# Altium PCB F407.PcbDoc (part 1 of 2)
Units mil, origin at the board's own origin, x right, y up, seen from the top; angles counter-clockwise.
Board outline 2695.03 x 3942.04 mil, 2 copper layers (Top Layer, Bottom Layer); 101 components, 150 nets, 633 pads, 413 vias.
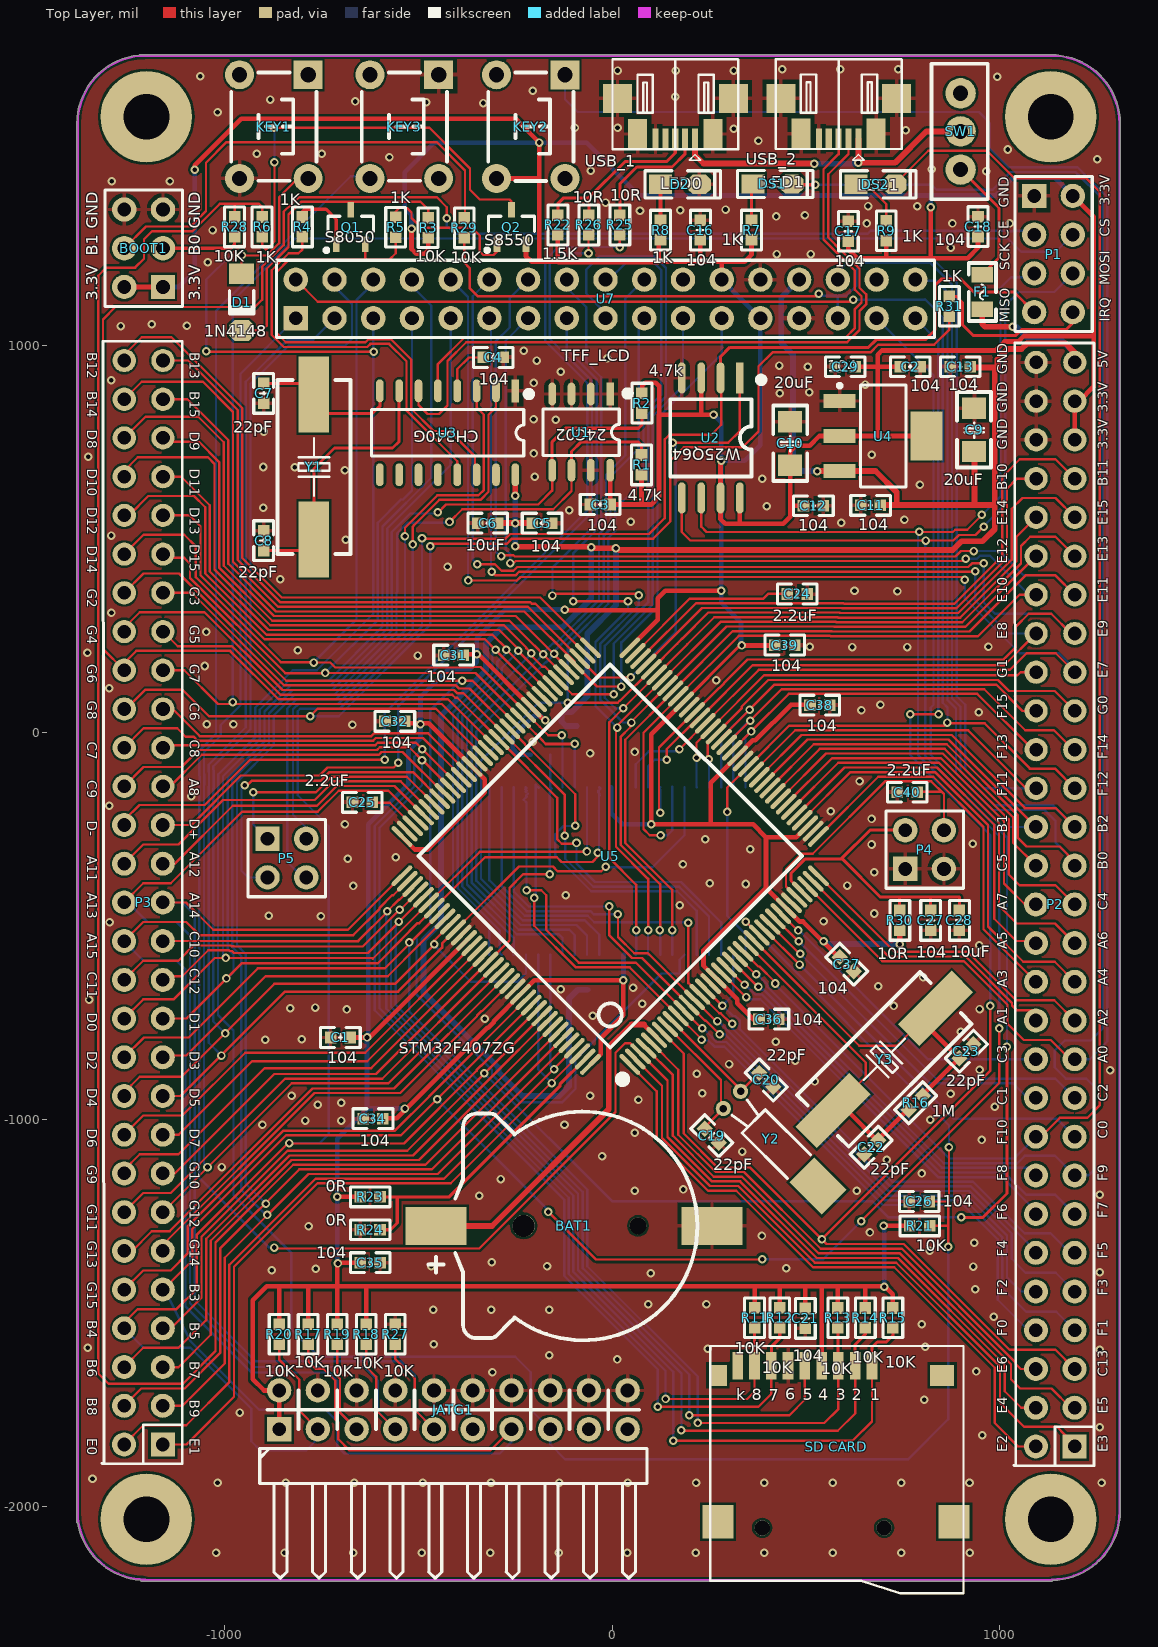
[diagram p0: Top Layer view]
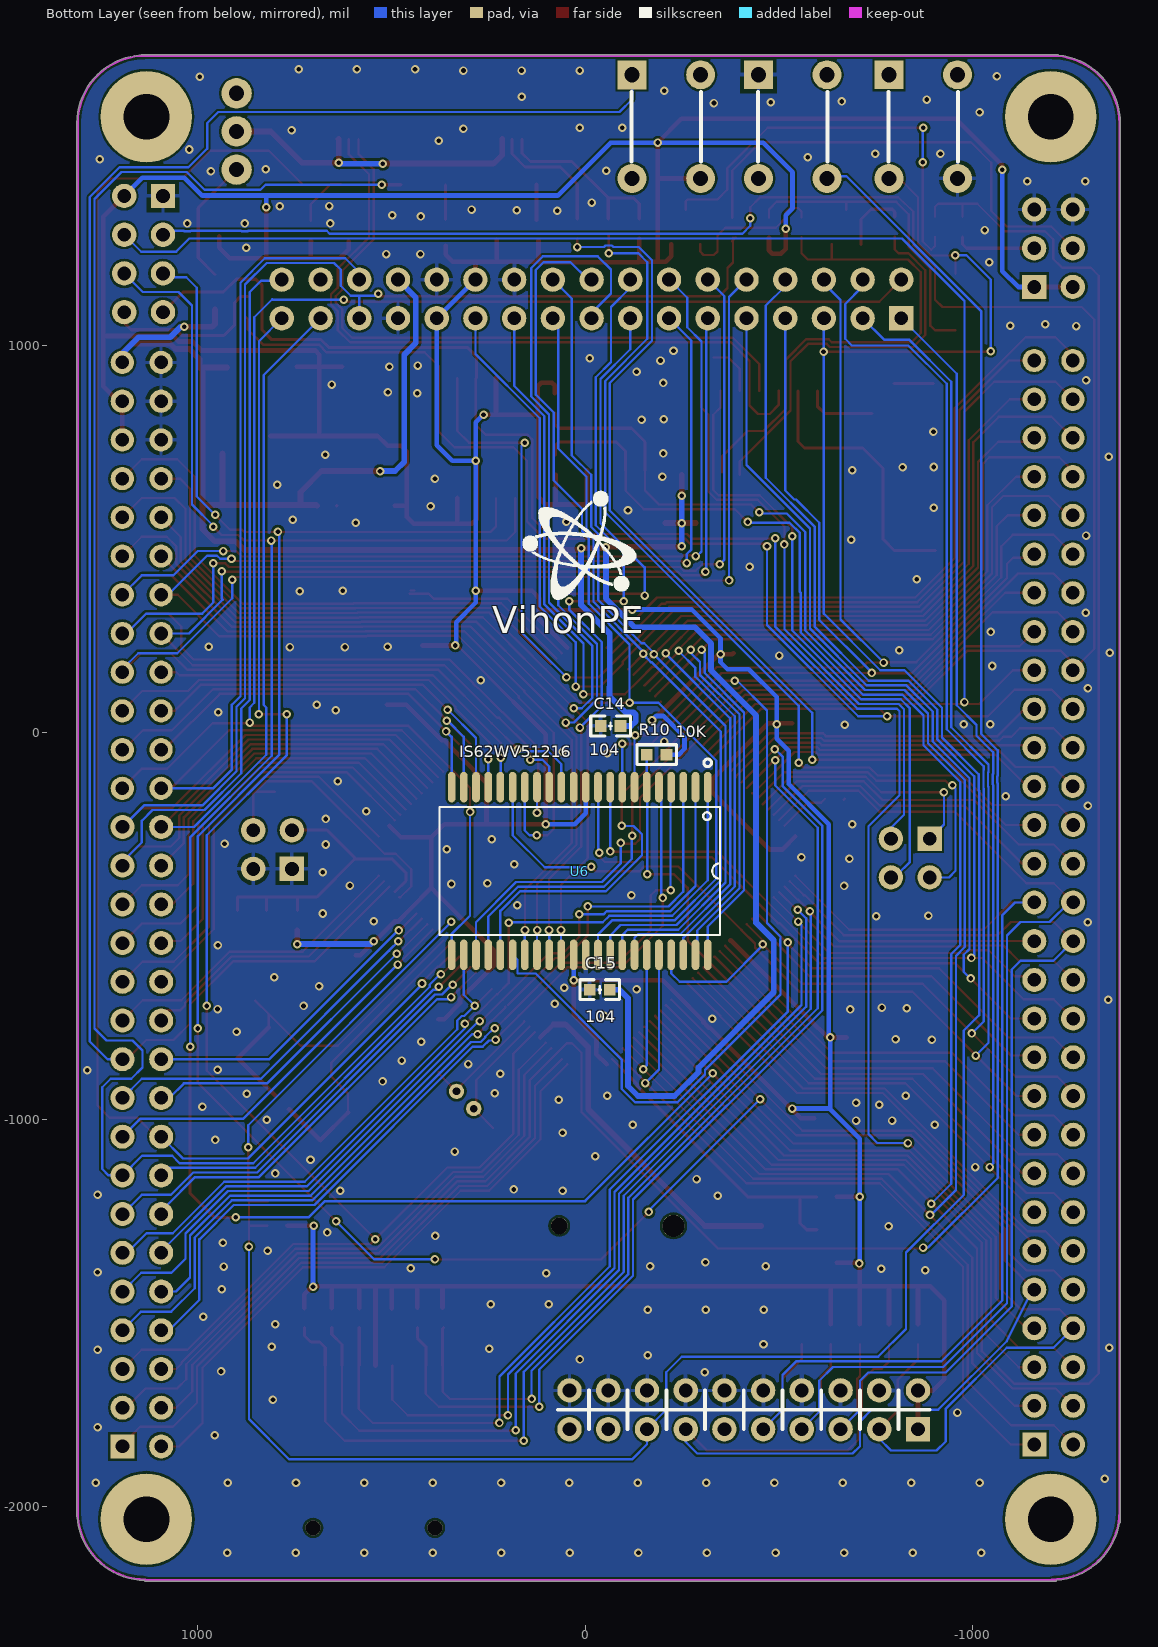
[diagram p1: Bottom Layer view, seen from below]

## Layer stack, top to bottom
Top Solder: solder mask 0.4, Solder Resist, Dk 3.5
Top Layer: signal copper 1.4
Dielectric 1: dielectric 12.6, FR-4, Dk 4.8
Bottom Layer: signal copper 1.4
Bottom Solder: solder mask 0.4, Solder Resist, Dk 3.5

## Board outline
-1382.51,-2040 ccw(c-1380,-2040) -1380.05,-2042.51 ccw(c-1205.07,-2013.06) -1217.51,-2190.07 ccw(c-1215,-2190) -1215,-2192.51 1135,-2192.51 ccw(c1135,-2190) 1137.48,-2190.42 ccw(c1135.07,-2012.99) 1312,-2026.53 ccw(c1310,-2025) 1312.52,-2025 1312.52,1572.01 ccw(c1310,1572.01) 1312.44,1572.61 ccw(c1135,1572.08) 1146.3,1749.16 ccw(c1145,1747.01) 1145,1749.52 -1220,1749.52 ccw(c-1220,1747.01) -1221.83,1748.73 ccw(c-1205.07,1572.08) -1382.51,1572.08

## Design rules (kind name [scope] priority, off if disabled: settings)
Clearance [All] p1: gap=6 ignorepadtopadclearanceinfootprint=FALSE except(0: Arc-Hole Track-Hole SMDPad-Hole THPad-Hole Via-Hole Fill-Hole Poly-Hole Region-Hole Text-Hole)
PlaneClearance [All] p1: clearance=8
PolygonConnect PolygonConnect_1 [IsVia] p1: connectstyle=Direct reliefconductorwidth=10 reliefentries=4 polygonreliefangle="90 Angle" airgapwidth=10
PolygonConnect [All] p2: connectstyle=Relief reliefconductorwidth=10 reliefentries=4 polygonreliefangle="90 Angle" airgapwidth=10
RoutingVias [All] p1: holewidth=12 width=22 viastyle="Through Hole" minholewidth=12 minwidth=15 maxholewidth=12 maxwidth=22
SilkToSolderMaskClearance [IsPad] p1: minsilkscreentomaskgap=2 clearancetoexposedcopper=TRUE
SolderMaskExpansion [All] p1: expansion=4 istentingtop=FALSE
Width POWER [InNetClass('POR')] p1: maxlimit=60 minlimit=6 preferedwidth=15
Width [All] p2: maxlimit=60 minlimit=6 preferedwidth=6
28 further rules are at their usual default settings.

## Components (designator, comment, footprint, x,y, rotation, side; value= is the part's Value field where it differs from the comment)
BAT1 "1220" CR1220_A -75,-1275 r180 top locked
BOOT1 "BOOT1" HDR2.54-LI-2x3P -1210,1250 r90 top locked
C1 "104" "C 0603_L" -701.59,-788.33 r0 top
C2 "104" "C 0603_L" 770,944 r180 top
C3 "104" "C 0603_L" -31,588 r0 top
C4 "104" "C 0603_L" -307,968 r180 top
C5 "104" "C 0603_L" -181.03,540 r180 top
C6 "10uF" "C 0603_L" -321.03,540 r0 top
C7 "22pF" "C 0603_L" -900,875 r270 top
C8 "22pF" "C 0603_L" -900,495 r90 top
C9 "20uF" "C 1206_L" 935,780 r90 top
C10 "20uF" "C 1206_L" 460,745 r90 top
C11 "104" "C 0603_L" 667.41,586 r180 top
C12 "104" "C 0603_L" 520,585 r0 top
C13 "104" "C 0603_L" 899,944 r0 top
C14 "104" "C 0603_L" -66,16 r180 bottom
C15 "104" "C 0603_L" -38,-665 r180 bottom
C16 "104" "C 0603_L" 228,1297 r270 top
C17 "104" "C 0603_L" 610,1294 r270 top
C18 "104" "C 0603_L" 945,1306 r270 top
C19 "22pF" "C 0603_L" 257.23,-1042 r315 top
C20 "22pF" "C 0603_L" 398,-898 r315 top
C21 "104" "C 0603_L" 499,-1514 r90 top
C22 "22pF" "C 0603_L" 669,-1072 r225 top
C23 "22pF" "C 0603_L" 915.1,-823.9 r45 top
C24 "2.2uF" "C 0603_L" 478,357 r180 top
C25 "2.2uF" "C 0603_L" -645,-181 r0 top
C26 "104" "C 0603_L" 793.41,-1212 r180 top
C27 "104" "C 0603_L" 822.59,-486.19 r270 top
C28 "10uF" "C 0603_L" 897,-486 r270 top
C29 "104" "C 0603_L" 602,944 r180 top
C31 "104" "C 0603_L" -409.59,199 r180 top
C32 "104" "C 0603_L" -561,28 r180 top
C34 "104" "C 0603_L" -617.59,-998 r180 top
C35 "104" "C 0603_L" -625,-1370 r0 top
C36 "104" "C 0603_L" 405,-741 r0 top
C37 "104" "C 0603_L" 606,-599 r315 top
C38 "104" "C 0603_L" 536.59,70 r0 top
C39 "104" "C 0603_L" 446,225 r0 top
C40 "2.2uF" "C 0603_L" 762,-155 r180 top
D1 "1N4148" "MINI_MELF (LL34)" -957,1111 r270 top
D2 "LED0" "LED 0805G" 175,1415 r0 top
DS1 "LED1" "LED 0805G" 414,1416 r0 top
DS2 "LED1" "LED 0805G" 680,1415 r0 top
F1 "500MA" "FU 0805" 956,1137 r270 top
JATG1 "JTAG" HDR2.54-WI-2x10P -410,-1750 r0 top locked
KEY1 "6x6x5" "TSW DIP-6*6*6" -873.58,1564.14 r270 top locked
KEY2 "6x6x5" "TSW DIP-6*6*6" -210,1564 r270 top locked
KEY3 "6x6x5" "TSW DIP-6*6*6" -536.58,1564.14 r270 top locked
P1 "NRF2401" HDR2.54-LI-2x4P 1140,1235 r270 top locked
P2 "Header 29X2" HEAD2*27 1144.79,-444.79 r90 top locked
P3 "Header 29X2" HEAD2*27 -1210.21,-439.79 r90 top locked
P4 "VREF" HDR2.54-LI-2x2P 807,-303 r0 top
P5 "VREF" HDR2.54-LI-2x2P -840,-325 r270 top
Q1 "S8050" SOT23-3L -675,1305 r0 top
Q2 "S8550" SOT23-3L -260,1305 r0 top
R1 "4.7k" "R 0603_L" 76,690.41 r270 top
R2 "4.7k" "R 0603_L" 77,850 r90 top
R3 "10K" "R 0603_L" -475,1303 r90 top
R4 "1K" "R 0603_L" -800,1305 r90 top
R5 "1K" "R 0603_L" -559,1304 r90 top
R6 "1K" "R 0603_L" -904,1305 r90 top
R7 "1K" "R 0603_L" 360,1297 r270 top
R8 "1K" "R 0603_L" 125,1297 r270 top
R9 "1K" "R 0603_L" 708,1295 r270 top
R10 "10K" "R 0603_L" -185,-58 r180 bottom
R11 "10K" "R 0603_L" 368,-1512 r90 top
R12 "10K" "R 0603_L" 433,-1512 r90 top
R13 "10K" "R 0603_L" 582.99,-1512.53 r90 top
R14 "10K" "R 0603_L" 653.99,-1512.53 r90 top
R15 "10K" "R 0603_L" 724.99,-1512.53 r90 top
R16 "1M" "R 0603_L" 784,-957 r225 top
R17 "10K" "R 0603_L" -785,-1555 r270 top
R18 "10K" "R 0603_L" -635,-1555 r270 top
R19 "10K" "R 0603_L" -710,-1555 r270 top
R20 "10K" "R 0603_L" -860,-1555 r270 top
R21 "10K" "R 0603_L" 794.41,-1275 r180 top
R22 "1.5K" "R 0603_L" -140,1310 r270 top
R23 "0R" "R 0603_L" -625,-1200 r0 top
R24 "0R" "R 0603_L" -625,-1285 r0 top
R25 "10R" "R 0603_L" 20,1310.01 r90 top
R26 "10R" "R 0603_L" -60,1310.01 r90 top
R27 "10K" "R 0603_L" -560,-1555 r90 top
R28 "10K" "R 0603_L" -975,1305 r270 top
R29 "10K" "R 0603_L" -382,1302.41 r270 top
R30 "10R" "R 0603_L" 743,-486 r270 top
R31 "1K" "R 0603_L" 871,1100 r90 top
"SD CARD" "TF_Card" "Micro SD" 545,-2055 r0 top locked
SW1 "POWER_SW" SS-12D00 900,1551.57 r270 top
U1 "24C02" SOP8_L -80,775 r270 top
U2 "W25Q64" SOP8W_L 255,760 r270 top locked
U3 "CH340G" SOP16_L -425,773.35 r270 top locked
U4 "AMS1117-3V3" SOT223_L 700,765 r0 top
U5 "STM32F407ZG" "LQFP144 20X20_N" -5,-320 r45 top locked
U6 "IS62WV51216" TSOP10X18-44 -316.93,-141.93 r0 bottom locked
U7 "TFF_LCD" HDR2.54-LI-2x17P -17,1119 r0 top locked
USB_1 "USB-5P" USB-MICRO_E 162.99,1624.72 r180 top
USB_2 "USB-5P" USB-MICRO_E 585,1625 r180 top locked
Y1 "12MHz" "OSC HC-49SMD" -770,685 r90 top locked
Y2 "32.768KHz" OSC-2x6-WI-B 309.5,-949.73 r225 top
Y3 "8MHz" "OSC HC-49SMD" 703,-845 r45 top

## Footprints (in the part's own frame and the unit in brackets; to place one, negate y for a bottom-side part, rotate by r counter-clockwise, add the part's x,y. Pads: shape width x height; smd on the part's side, far side on the other; paste and mask are expansions set on the pad)
"C 0603_L" [mil] "无极性贴片电容"
  rect 30x30 smd: 1(-25.59,0) 2(25.59,0)
  silkscreen extent -51,-26 51,26, body extent -31,-16 31,16, height 32
"C 1206_L" [mil] "无极性贴片电容"
  rect 55x62 smd: 1(-55.12,0) 2(57.09,0)
  silkscreen extent -96,-44 98,44, body extent -63,-32 63,32, height 48
CR1220_A [mm] "纽扣电池座"
  round 1.1 hole 1.1: 0(-3.6,0)
  round 1.45 hole 1.45: 0(3.9,0)
  rect 4x2.5 smd: 1(9.652,0) 2(-8.458,0)
  silkscreen extent -7.5,-7.5 10.16,7.5, body extent -9.42,-7.45 10.34,7.45, height 4.05
"FU 0805" [mil] "贴片保险丝"
  rect 40x55 smd: 1(-45,0) 2(45,0)
  silkscreen extent -75,-35 75,35, body extent -39,-24 39,24, height 20
HDR2.54-LI-2x2P [mm] "双排排针，2x2脚"
  rect 1.6x1.6 hole 0.9: 1(-1.27,-1.27)
  round 1.6 hole 0.9: 2(-1.27,1.27) 3(1.27,-1.27) 4(1.27,1.27)
  silkscreen extent -2.54,-2.54 2.54,2.54, body extent -2.54,-2.54 2.54,2.54, height 8.5
HDR2.54-LI-2x3P [mm] "双排排针，3x2脚"
  rect 1.6x1.6 hole 0.9: 1(-2.54,-1.27)
  round 1.6 hole 0.9: 2(-2.54,1.27) 3(0,-1.27) 4(0,1.27) 5(2.54,-1.27) 6(2.54,1.27)
  silkscreen extent -3.81,-2.54 3.81,2.54, body extent -3.81,-2.54 3.81,2.54, height 8.5
HDR2.54-LI-2x4P [mm] "双排排针，4x2脚"
  rect 1.6x1.6 hole 0.9: 1(-3.81,-1.27)
  round 1.6 hole 0.9: 2(-3.81,1.27) 3(-1.27,-1.27) 4(-1.27,1.27) 5(1.27,-1.27) 6(1.27,1.27) 7(3.81,-1.27) 8(3.81,1.27)
  silkscreen extent -5.08,-2.54 5.08,2.54, body extent -5.08,-2.54 5.08,2.54, height 8.5
HDR2.54-LI-2x17P [mm] "双排排针，17x2脚"
  rect 1.6x1.6 hole 0.9: 1(-20.32,-1.27)
  round 1.6 hole 0.9: 2(-20.32,1.27) 3(-17.78,-1.27) 4(-17.78,1.27) 5(-15.24,-1.27) 6(-15.24,1.27) 7(-12.7,-1.27) 8(-12.7,1.27) 9(-10.16,-1.27) 10(-10.16,1.27) 11(-7.62,-1.27) 12(-7.62,1.27) 13(-5.08,-1.27) 14(-5.08,1.27) 15(-2.54,-1.27) 16(-2.54,1.27) 17(0,-1.27) 18(0,1.27) 19(2.54,-1.27) 20(2.54,1.27) 21(5.08,-1.27) 22(5.08,1.27) 23(7.62,-1.27) 24(7.62,1.27) 25(10.16,-1.27) 26(10.16,1.27) 27(12.7,-1.27) 28(12.7,1.27) 29(15.24,-1.27) 30(15.24,1.27) 31(17.78,-1.27) 32(17.78,1.27) 33(20.32,-1.27) 34(20.32,1.27)
  silkscreen extent -21.59,-2.54 21.59,2.54, body extent -21.59,-2.54 21.59,2.54, height 8.5
HDR2.54-WI-2x10P [mm]
  rect 1.6x1.6 hole 0.9: 1(-11.43,-1.27)
  round 1.6 hole 0.9: 2(-11.43,1.27) 3(-8.89,-1.27) 4(-8.89,1.27) 5(-6.35,-1.27) 6(-6.35,1.27) 7(-3.81,-1.27) 8(-3.81,1.27) 9(-1.27,-1.27) 10(-1.27,1.27) 11(1.27,-1.27) 12(1.27,1.27) 13(3.81,-1.27) 14(3.81,1.27) 15(6.35,-1.27) 16(6.35,1.27) 17(8.89,-1.27) 18(8.89,1.27) 19(11.43,-1.27) 20(11.43,1.27)
  silkscreen extent -12.7,-11.06 12.7,1.27, body extent -12.7,-11.23 12.7,1.62, height 5.1
HEAD2*27 [mil]
  rect 62x62 hole 35: 1(-1399.79,-49.79)
  round 62 hole 35: 2(-1399.79,50.21) 3(-1299.79,-49.79) 4(-1299.79,50.21) 5(-1199.79,-49.79) 6(-1199.79,50.21) 7(-1099.79,-49.79) 8(-1099.79,50.21) 9(-999.79,-49.79) 10(-999.79,50.21) 11(-899.79,-49.79) 12(-899.79,50.21) 13(-799.79,-49.79) 14(-799.79,50.21) 15(-699.79,-49.79) 16(-699.79,50.21) 17(-599.79,-49.79) 18(-599.79,50.21) 19(-499.79,-49.79) 20(-499.79,50.21) 21(-399.79,-49.79) 22(-399.79,50.21) 23(-299.79,-49.79) 24(-299.79,50.21) 25(-199.79,-49.79) 26(-199.79,50.21) 27(-99.79,-49.79) 28(-99.79,50.21) 29(0.21,-49.79) 30(0.21,50.21) 31(100.21,-49.79) 32(100.21,50.21) 33(200.21,-49.79) 34(200.21,50.21)
  round 60 hole 35: 35(299.79,-50.21) 36(299.79,49.79) 37(399.79,-50.21) 38(399.79,49.79) 39(499.79,-50.21) 40(499.79,49.79) 41(599.79,-50.21) 42(599.79,49.79) 43(699.79,-50.21) 44(699.79,49.79) 45(799.79,-50.21) 46(799.79,49.79) 47(899.79,-50.21) 48(899.79,49.79) 49(999.79,-50.21) 50(999.79,49.79) 51(1099.79,-50.21) 52(1099.79,49.79) 53(1199.79,-50.21) 54(1199.79,49.79) 55(1299.79,-50.21) 56(1299.79,49.79) 57(1399.79,-50.21) 58(1399.79,49.79)
  silkscreen extent -1450,-100 1450,107
"LED 0805G" [mil] "绿色0805LED"
  rect 60x50 smd: 1(-50,0)
  oct 60x50 smd: 2(50,0)
  silkscreen extent -90,-35 105,35, body extent -39,-25 39,25, height 32
"LQFP144 20X20_N" [mm] "144脚，体宽20x20mm，脚距0.5mm"
  oval 0.3x1.8 smd: 1(-8.75,-10.573) 2(-8.25,-10.573) 3(-7.75,-10.573) 4(-7.25,-10.573) 5(-6.75,-10.573) 6(-6.25,-10.573) 7(-5.75,-10.573) 8(-5.25,-10.573) 9(-4.75,-10.573) 10(-4.25,-10.573) 11(-3.75,-10.573) 12(-3.25,-10.573) 13(-2.75,-10.573) 14(-2.25,-10.573) 15(-1.75,-10.573) 16(-1.25,-10.573) 17(-0.75,-10.573) 18(-0.25,-10.573) 19(0.25,-10.573) 20(0.75,-10.573) 21(1.25,-10.573) 22(1.75,-10.573) 23(2.25,-10.573) 24(2.75,-10.573) 25(3.25,-10.573) 26(3.75,-10.573) 27(4.25,-10.573) 28(4.75,-10.573) 29(5.25,-10.573) 30(5.75,-10.573) 31(6.25,-10.573) 32(6.75,-10.573) 33(7.25,-10.573) 34(7.75,-10.573) 35(8.25,-10.573) 36(8.75,-10.573) 73(8.75,10.573) 74(8.25,10.573) 75(7.75,10.573) 76(7.25,10.573) 77(6.75,10.573) 78(6.25,10.573) 79(5.75,10.573) 80(5.25,10.573) 81(4.75,10.573) 82(4.25,10.573) 83(3.75,10.573) 84(3.25,10.573) 85(2.75,10.573) 86(2.25,10.573) 87(1.75,10.573) 88(1.25,10.573) 89(0.75,10.573) 90(0.25,10.573) 91(-0.25,10.573) 92(-0.75,10.573) 93(-1.25,10.573) 94(-1.75,10.573) 95(-2.25,10.573) 96(-2.75,10.573) 97(-3.25,10.573) 98(-3.75,10.573) 99(-4.25,10.573) 100(-4.75,10.573) 101(-5.25,10.573) 102(-5.75,10.573) 103(-6.25,10.573) 104(-6.75,10.573) 105(-7.25,10.573) 106(-7.75,10.573) 107(-8.25,10.573) 108(-8.75,10.573)
  oval 1.8x0.3 smd: 37(10.573,-8.75) 38(10.573,-8.25) 39(10.573,-7.75) 40(10.573,-7.25) 41(10.573,-6.75) 42(10.573,-6.25) 43(10.573,-5.75) 44(10.573,-5.25) 45(10.573,-4.75) 46(10.573,-4.25) 47(10.573,-3.75) 48(10.573,-3.25) 49(10.573,-2.75) 50(10.573,-2.25) 51(10.573,-1.75) 52(10.573,-1.25) 53(10.573,-0.75) 54(10.573,-0.25) 55(10.573,0.25) 56(10.573,0.75) 57(10.573,1.25) 58(10.573,1.75) 59(10.573,2.25) 60(10.573,2.75) 61(10.573,3.25) 62(10.573,3.75) 63(10.573,4.25) 64(10.573,4.75) 65(10.573,5.25) 66(10.573,5.75) 67(10.573,6.25) 68(10.573,6.75) 69(10.573,7.25) 70(10.573,7.75) 71(10.573,8.25) 72(10.573,8.75) 109(-10.573,8.75) 110(-10.573,8.25) 111(-10.573,7.75) 112(-10.573,7.25) 113(-10.573,6.75) 114(-10.573,6.25) 115(-10.573,5.75) 116(-10.573,5.25) 117(-10.573,4.75) 118(-10.573,4.25) 119(-10.573,3.75) 120(-10.573,3.25) 121(-10.573,2.75) 122(-10.573,2.25) 123(-10.573,1.75) 124(-10.573,1.25) 125(-10.573,0.75) 126(-10.573,0.25) 127(-10.573,-0.25) 128(-10.573,-0.75) 129(-10.573,-1.25) 130(-10.573,-1.75) 131(-10.573,-2.25) 132(-10.573,-2.75) 133(-10.573,-3.25) 134(-10.573,-3.75) 135(-10.573,-4.25) 136(-10.573,-4.75) 137(-10.573,-5.25) 138(-10.573,-5.75) 139(-10.573,-6.25) 140(-10.573,-6.75) 141(-10.573,-7.25) 142(-10.573,-7.75) 143(-10.573,-8.25) 144(-10.573,-8.75)
  silkscreen extent -10.03,-11.17 8.89,8.89, body extent -11,-11 11,11, height 1.45
"Micro SD" [mm]
  round 1 hole 1 unplated: 0(-4,0) 0(4,0)
  rect 0.7x1.8 smd: 1(3.2,10.627) 2(2.1,10.627) 3(1,10.627) 4(-0.1,10.627) 5(-1.2,10.627) 6(-2.3,10.627) 7(-3.4,10.627) 8(-4.5,10.627) 9(-5.6,10.627)
  rect 2.032x2.2 smd: 10(-6.9,0.4) 10(8.6,0.4)
  rect 1.2x1.4 smd: 10(-6.9,10)
  rect 1.6x1.4 smd: 10(7.8,10)
  silkscreen extent -7.4,-4.28 9.2,11.94, body extent -7.11,-3.95 8.89,11.3, height 2.1
"MINI_MELF (LL34)" [mm] "1.5*3.4mm(直径，脚距）"
  rect 1.37x1.62 smd: 1(-1.855,0)
  oct 1.37x1.62 smd: 2(1.855,0)
  silkscreen extent -0.76,-0.8 0.78,0.8, body extent -1.7,-0.75 1.7,0.75, height 1.5
"OSC HC-49SMD" [mm]
  rect 5x2 smd: 1(-4.75,0) 2(4.75,0)
  silkscreen extent -5.7,-2.4 5.7,2.4, body extent -6.5,-2.32 6.5,2.33, height 4.63
OSC-2x6-WI-B [mm] "脚距：1.6mm"
  rect 2.3x3 smd: 0(0,8)
  round 1 hole 0.5: 1(0.8,0) 2(-0.8,0)
  silkscreen extent -1.1,0.7 1.07,6.2, body extent -1,-0.16 1,8, height 2.05
"R 0603_L" [mil] "1/10W贴片电阻"
  rect 30x30 smd: 1(-25.59,0) 2(25.59,0)
  silkscreen extent -51,-26 51,26, body extent -31,-16 32,16, height 16
SOP8_L [mm] "5*6*1.8mm（长宽高）"
  rect 1.5x0.5 smd: 1(-2.5,1.905)
  oval 1.5x0.5 smd: 2(-2.5,0.635) 3(-2.5,-0.635) 4(-2.5,-1.905) 5(2.5,-1.905) 6(2.5,-0.635) 7(2.5,0.635) 8(2.5,1.905)
  silkscreen extent -2.69,-2.5 1.52,3.2, body extent -3,-2.5 3,2.5, height 1.9
SOP8W_L [mil] "5.3*8.3*1.8mm（长宽高）"
  rect 80x19.68 smd: 1(-155,75)
  oval 80x19.68 smd: 2(-155,25) 3(-155,-25) 4(-155,-75) 5(155,-75) 6(155,-25) 7(155,25) 8(155,75)
  silkscreen extent -156,-105 100,136, body extent -155,-104 155,104, height 75
SOP16_L [mm] "10.3*6.2*1.8mm（长宽高）"
  rect 1.5x0.5 smd: 1(-2.752,4.445)
  oval 1.5x0.5 smd: 2(-2.752,3.175) 3(-2.752,1.905) 4(-2.752,0.635) 5(-2.752,-0.635) 6(-2.752,-1.905) 7(-2.752,-3.175) 8(-2.752,-4.445) 9(2.752,-4.445) 10(2.752,-3.175) 11(2.752,-1.905) 12(2.752,-0.635) 13(2.752,0.635) 14(2.752,1.905) 15(2.752,3.175) 16(2.752,4.445)
  silkscreen extent -2.69,-5 1.52,5.49, body extent -3,-5 3,5, height 1.9
SOT23-3L [mm] "3x1.3x1mm(长宽高)"
  rect 0.45x1 smd: 1(-0.95,-1.143) 2(0.95,-1.143) 3(0,1.125)
  silkscreen extent -1.72,-1.65 1.5,0.7, body extent -1.5,-1.2 1.5,1.2, height 1.05
SOT223_L [mm] "SOT223, 4-Leads, Body 6.5x3.5mm, Pitch 2.3mm, Lead Span 7mm, IPC High Density"
  rect 2.1x0.9 smd: 1(-2.85,2.3) 2(-2.85,0) 3(-2.85,-2.3)
  rect 2.1x3.2 smd: 4(2.85,0)
  silkscreen extent -2.97,-3.35 1.5,3.42, body extent -1.85,-3.35 1.85,3.35, height 1.7
SS-12D00 [mm] "脚距3mm"
  round 2 hole 1: 1(-2.5,0) 2(0,0) 3(2.5,0)
  silkscreen extent -4.44,-1.91 4.44,1.78, body extent -4.5,-1.8 4.5,1.8, height 5.5
TSOP10X18-44 [mm]
  oval 0.5x2 smd: 1(0,0) 2(0.8,0) 3(1.6,0) 4(2.4,0) 5(3.2,0) 6(4,0) 7(4.8,0) 8(5.6,0) 9(6.4,0) 10(7.2,0) 11(8,0) 12(8.8,0) 13(9.6,0) 14(10.4,0) 15(11.2,0) 16(12,0) 17(12.8,0) 18(13.6,0) 19(14.4,0) 20(15.2,0) 21(16,0) 22(16.8,0) 23(16.8,11) 24(16,11) 25(15.2,11) 26(14.4,11) 27(13.6,11) 28(12.8,11) 29(12,11) 30(11.2,11) 31(10.4,11) 32(9.6,11) 33(8.8,11) 34(8,11) 35(7.2,11) 36(6.4,11) 37(5.6,11) 38(4.8,11) 39(4,11) 40(3.2,11) 41(2.4,11) 42(1.6,11) 43(0.8,11) 44(0,11)
  silkscreen extent -0.8,-1.85 17.6,9.7, body extent -0.69,-0.28 17.52,11.48, height 1.3
"TSW DIP-6*6*6" [mm] "6*6*6mm"
  rect 1.9x1.9 hole 1: 1(-3.4,2.25)
  round 1.9 hole 1: 2(3.4,2.25) 3(3.4,-2.25) 4(-3.4,-2.25)
  silkscreen extent -3.56,-2.79 3.56,2.79, body extent -4.11,-3 4.11,3, height 5.95
USB-MICRO_E [mm] "micro型USB ，5.9*8.2*2.5mm"
  rect 0.4x1.4 smd: 1(-1.296,2.355) 2(-0.648,2.355) 3(0,2.355) 4(0.648,2.355) 5(1.295,2.355)
  rect 1.9x1.9 smd: 5(-3.81,-0.312) 5(3.784,-0.312)
  rect 1.25x2 smd: 5(-2.464,2.025) 5(2.464,2.025)
  silkscreen extent -4.14,-2.89 4.11,3.75, body extent -3.98,-2.77 3.98,2.65, height 2.69
